# Altium PCB FULL_CB_REV_C.PcbDoc (part 1 of 2)
Units mm, origin at the board's own origin, x right, y up, seen from the top; angles counter-clockwise.
Board outline 86.1 x 38.5 mm, 4 copper layers (Top Layer, Signal Layer 2, Signal Layer 1, Bottom Layer), stack 1.643 mm thick; 38 components, 86 nets, 243 pads, 188 vias.
Unrouted connection lines stored in the file: 41.
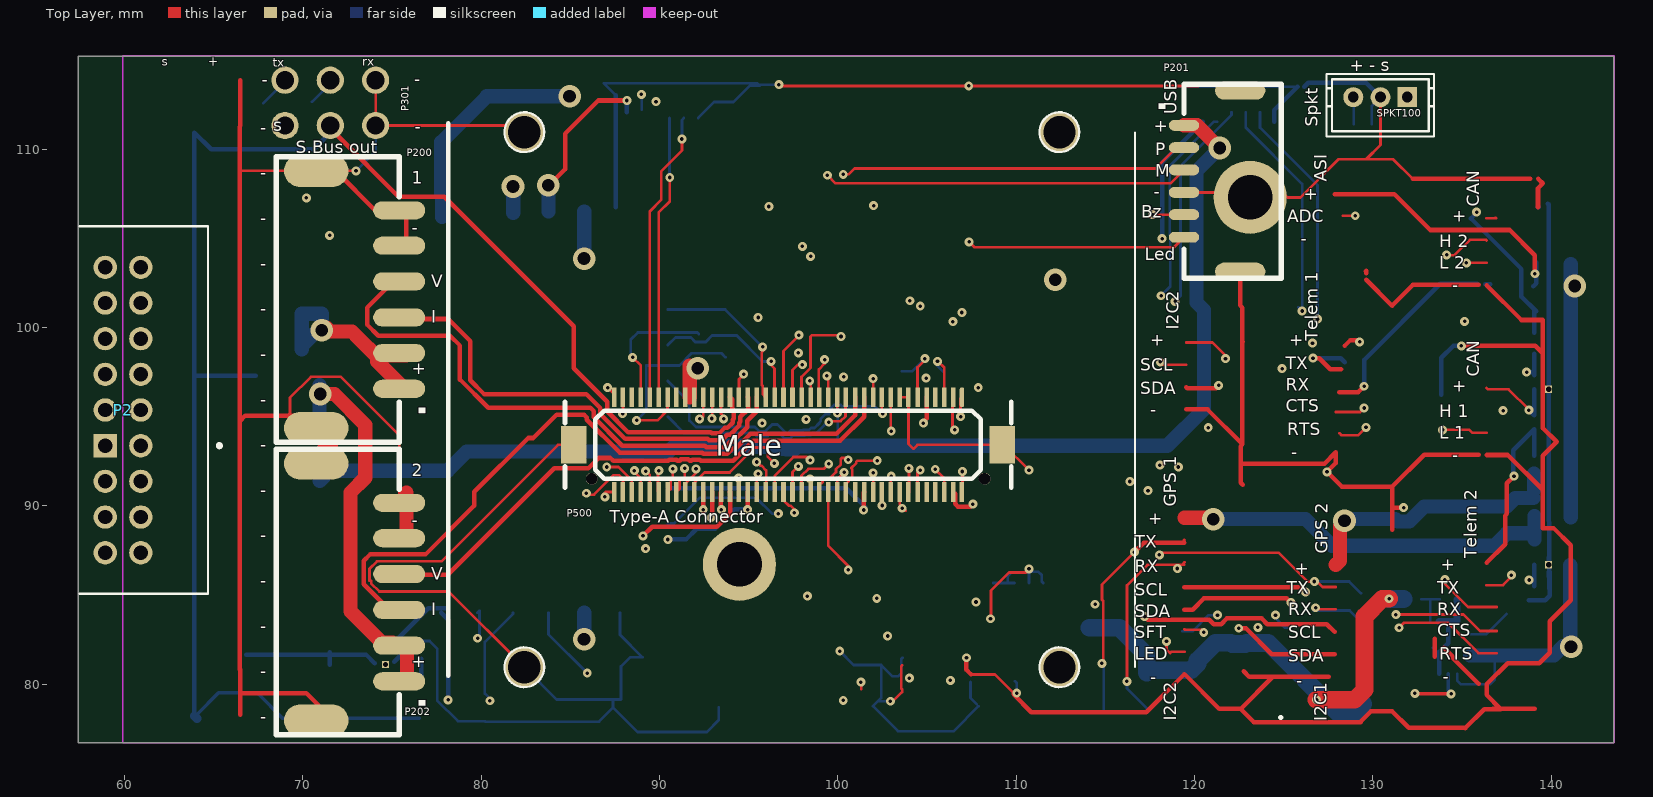
[diagram p0: Top Layer view]
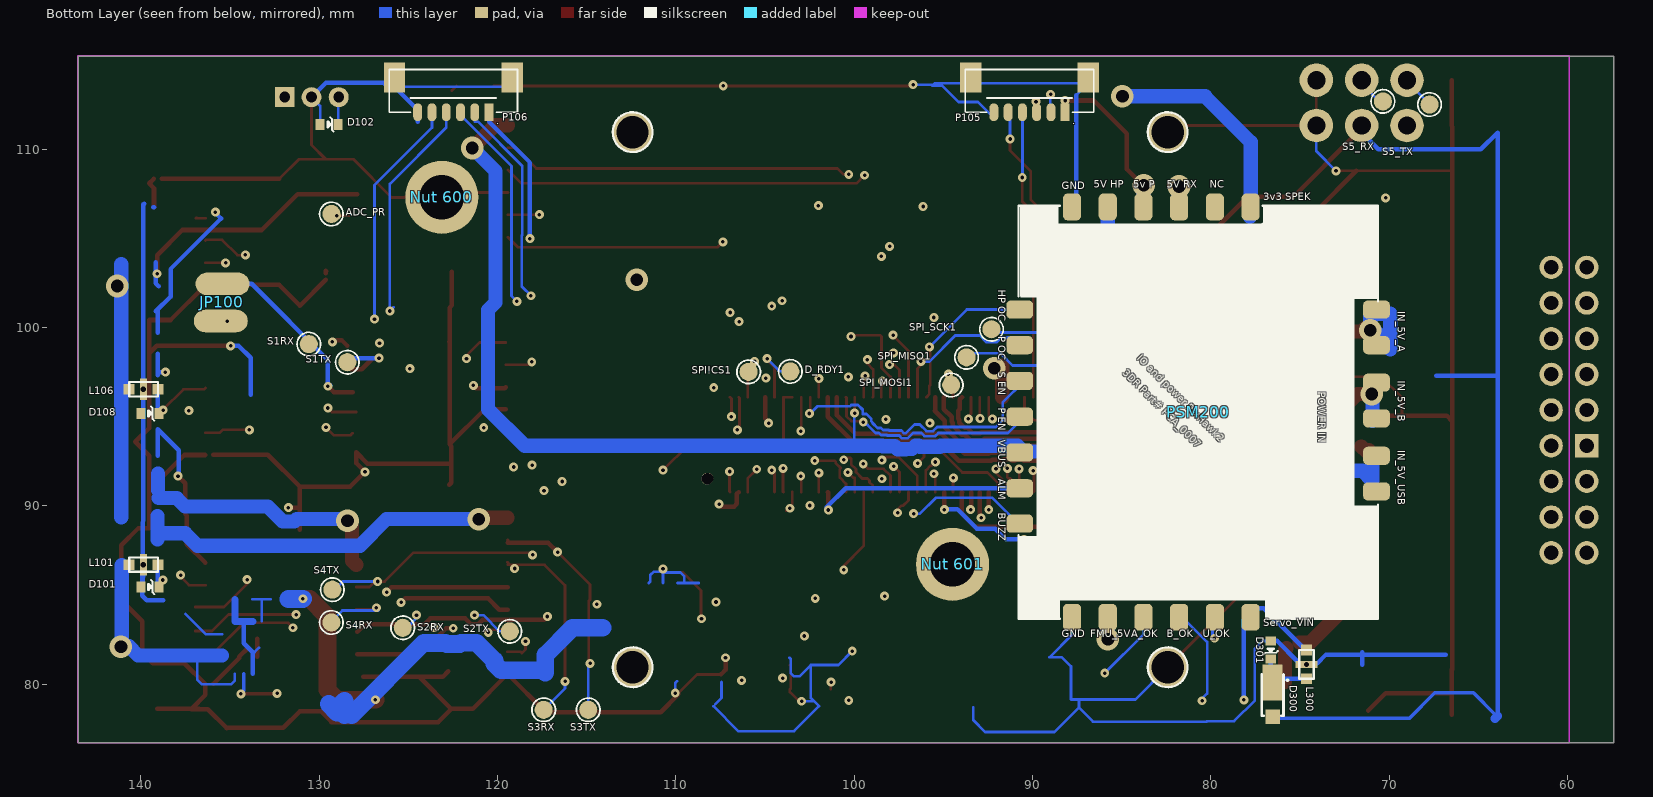
[diagram p1: Bottom Layer view, seen from below]
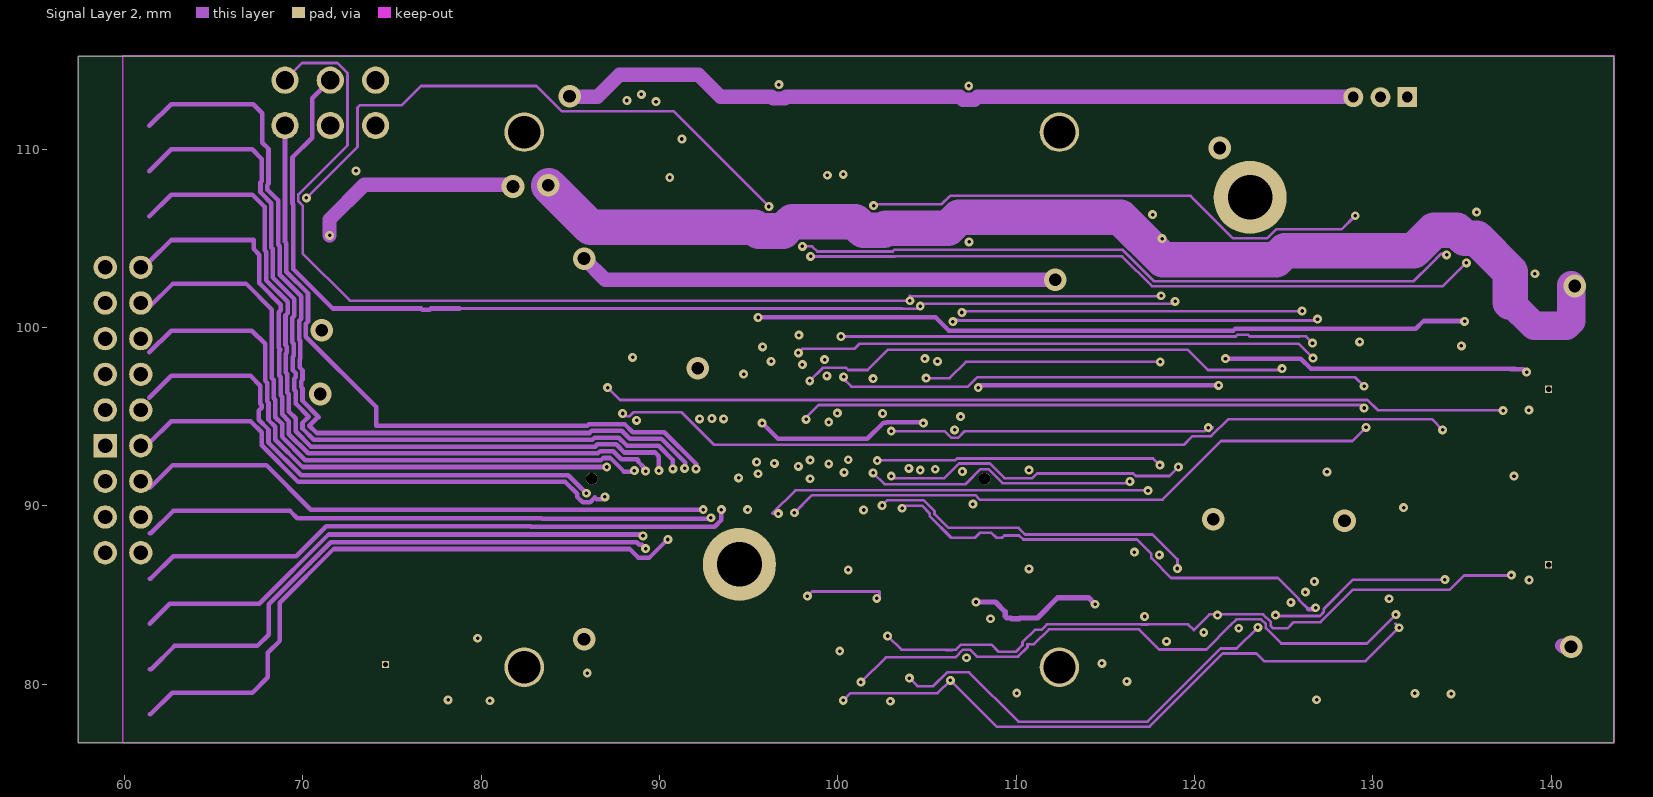
[diagram p2: Signal Layer 2]
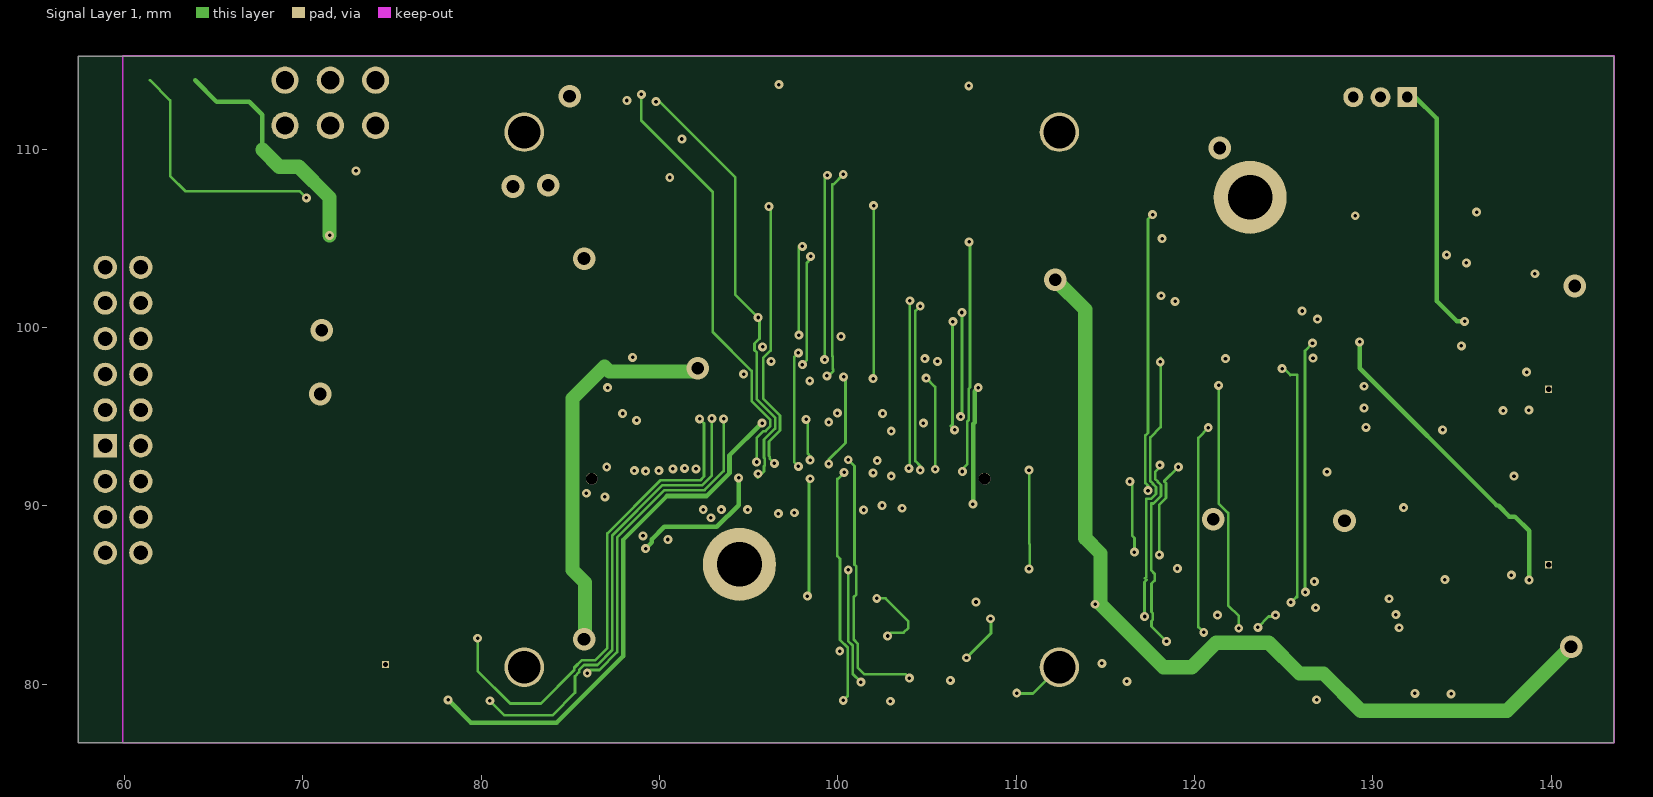
[diagram p3: Signal Layer 1]
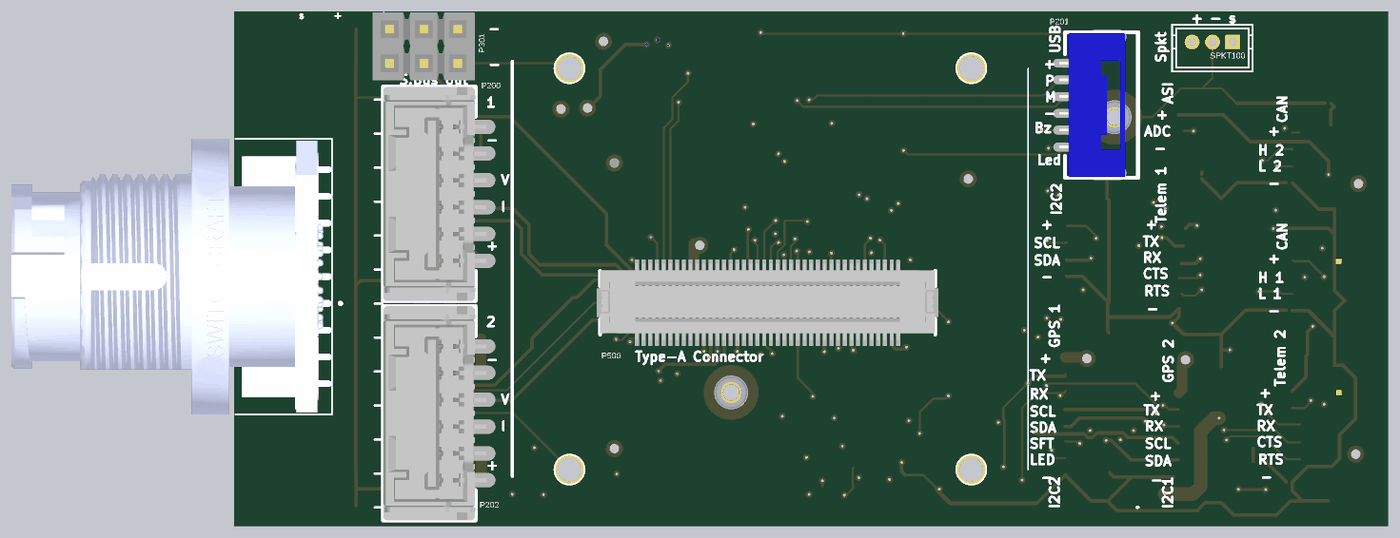
[diagram p5: 3D render of the assembled board from above, using the file's embedded part models]
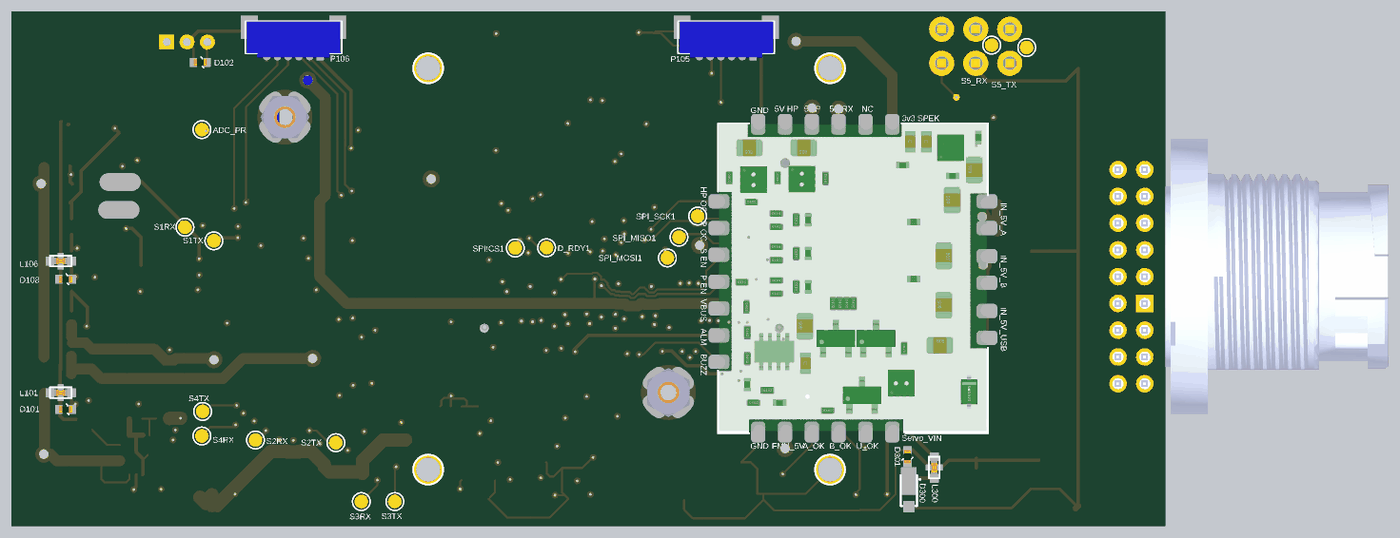
[diagram p6: 3D render of the assembled board from below, using the file's embedded part models]

## Layer stack, top to bottom
Top Solder: solder mask 0.0102, Solder Resist, Dk 3.5
Top Layer: signal copper 0.0356
Dielectric 1: core 0.5, FR-4, Dk 4.8
Signal Layer 2: signal copper 0.036
Dielectric 6: prepreg 0.5, Dk 4.2
Signal Layer 1: signal copper 0.036
Dielectric 4: core 0.5, Dk 4.2
Bottom Layer: signal copper 0.0356
Bottom Solder: solder mask 0.0102, Solder Resist, Dk 3.5

## Board outline
57.409,76.712 143.509,76.712 143.509,115.212 57.409,115.212

## Design rules (kind name [scope] priority, off if disabled: settings)
Clearance "Polygon clearance" [InPolygon vs InPolygon] p1: gap=0.3 ignorepadtopadclearanceinfootprint=FALSE except(0: Arc-Hole Track-Hole SMDPad-Hole THPad-Hole Via-Hole Fill-Hole Poly-Hole Region-Hole Text-Hole)
Clearance Clearance_1 [All] p2: gap=0.127 ignorepadtopadclearanceinfootprint=FALSE except(0: Arc-Hole Track-Hole SMDPad-Hole THPad-Hole Via-Hole Fill-Hole Poly-Hole Region-Hole Text-Hole)
Clearance mdViaVia [IsVia vs IsVia] p3: gap=0.127 ignorepadtopadclearanceinfootprint=FALSE except(0: Arc-Hole Track-Hole SMDPad-Hole THPad-Hole Via-Hole Fill-Hole Poly-Hole Region-Hole Text-Hole)
Clearance mdPadVia [IsPad vs IsVia] p4: gap=0.127 ignorepadtopadclearanceinfootprint=FALSE except(0: Arc-Hole Track-Hole SMDPad-Hole THPad-Hole Via-Hole Fill-Hole Poly-Hole Region-Hole Text-Hole)
Clearance mdPadPad [IsPad vs IsPad] p5: gap=0.127 ignorepadtopadclearanceinfootprint=FALSE except(0: Arc-Hole Track-Hole SMDPad-Hole THPad-Hole Via-Hole Fill-Hole Poly-Hole Region-Hole Text-Hole)
Clearance mdWireVia [(InLayerClass('Signal Layers') AND IsTrack) vs IsVia] p6: gap=0.127 ignorepadtopadclearanceinfootprint=FALSE except(0: Arc-Hole Track-Hole SMDPad-Hole THPad-Hole Via-Hole Fill-Hole Poly-Hole Region-Hole Text-Hole)
Clearance mdWirePad [(InLayerClass('Signal Layers') AND IsTrack) vs IsPad] p7: gap=0.127 ignorepadtopadclearanceinfootprint=FALSE except(0: Arc-Hole Track-Hole SMDPad-Hole THPad-Hole Via-Hole Fill-Hole Poly-Hole Region-Hole Text-Hole)
Clearance mdWireWire [(InLayerClass('Signal Layers') AND IsTrack) vs (InLayerClass('Signal Layers') AND IsTrack)] p8: gap=0.127 ignorepadtopadclearanceinfootprint=FALSE except(0: Arc-Hole Track-Hole SMDPad-Hole THPad-Hole Via-Hole Fill-Hole Poly-Hole Region-Hole Text-Hole)
ComponentClearance ComponentClearance_1 [(HasFootprint('ed') OR HasFootprint('CON-DF17-80M') OR HasFootprint('DF40-70_RECEPTICAL') OR HasFootprint('PSM') OR HasFootprint('PEM-SMTSO-M1.6-2-ET') OR HasFootprint('HEADER_1X06-FTDI') OR HasFootprint('3DR-WORDMARK-short'))] p1: gap=0 collisioncheckmode=3 verticalgap=0 showdistances=FALSE
ComponentClearance [All] p2 off: gap=0.076 collisioncheckmode=3 verticalgap=0 showdistances=FALSE
HoleSize [All] p1: absolutevalues=TRUE maxlimit=2540 minlimit=0.2 maxpercent=80.000 minpercent=20.000
HoleToHoleClearance [All] p1: gap=0.203 allowstackedmicrovias=TRUE
MinimumSolderMaskSliver [All] p1 off: minsoldermaskwidth=0.254
PasteMaskExpansion [All] p1: expansion=0.025
PolygonConnect PolygonConnect_1 [(InComponent('U2') OR InComponent('L6') OR HasFootprint('PEM-SMTSO-M1.6-2-ET') OR HasFootprint('MOUNT-HOLE1.8'))] p1: connectstyle=Direct reliefconductorwidth=0.254 reliefentries=4 polygonreliefangle="90 Angle" airgapwidth=0.254
PolygonConnect ThermalVias [IsVia] p2: connectstyle=Direct reliefconductorwidth=0.254 reliefentries=4 polygonreliefangle="90 Angle" airgapwidth=0.254
PolygonConnect [All] p3: connectstyle=Relief reliefconductorwidth=0.254 reliefentries=4 polygonreliefangle="90 Angle" airgapwidth=0.254
RoomDefinition FULL_CB_tp_REV_C [InComponentClass('FULL_CB_tp_REV_C')] p1 off: confinementstyle=ConfineIn formatcopy=TRUE lockcomponents=FALSE outline 0,0 50.8,0 50.8,25.4 0,25.4
RoomDefinition FULL_CB_Servo_REV_C [InComponentClass('FULL_CB_Servo_REV_C')] p2 off: confinementstyle=ConfineIn formatcopy=TRUE lockcomponents=FALSE outline 0,0 50.8,0 50.8,25.4 0,25.4
RoomDefinition FULL_CB_Power_REV_C [InComponentClass('FULL_CB_Power_REV_C')] p3 off: confinementstyle=ConfineIn formatcopy=TRUE lockcomponents=FALSE outline 0,0 50.8,0 50.8,25.4 0,25.4
RoomDefinition FULL_CB_Plugs_REV_C [InComponentClass('FULL_CB_Plugs_REV_C')] p4 off: confinementstyle=ConfineIn formatcopy=TRUE lockcomponents=FALSE outline 109.144,26.568 168.707,26.568 168.707,73.457 109.144,73.457
RoomDefinition FULL_CB_INTEL_REV_C [InComponentClass('FULL_CB_INTEL_REV_C')] p5 off: confinementstyle=ConfineIn formatcopy=TRUE lockcomponents=FALSE outline 0,0 50.8,0 50.8,25.4 0,25.4
RoomDefinition FULL_CB_80_Pin_REV_C [InComponentClass('FULL_CB_80_Pin_REV_C')] p6 off: confinementstyle=ConfineIn formatcopy=TRUE lockcomponents=FALSE outline 0,0 50.8,0 50.8,25.4 0,25.4
RoutingVias [All] p1: holewidth=0.2 width=0.5 viastyle="Through Hole" minholewidth=0.2 minwidth=0.5 maxholewidth=0.711 maxwidth=1.27
SilkToBoardRegionClearance [All] p1 off:
SilkToSilkClearance [All] p1 off: silktosilkclearance=0.254
SilkToSolderMaskClearance [IsPad] p1 off: minsilkscreentomaskgap=0.254 clearancetoexposedcopper=TRUE
SolderMaskExpansion [All] p1: expansion=0.025 istentingtop=FALSE
Width [All] p1: maxlimit=2 minlimit=0.15 preferedwidth=0.254
22 further rules are at their usual default settings.

## Classes and differential pairs
component class FULL_CB_Plugs_REV_C: 3 D101 D102 D108 JP100 L101 L106 P1 P105 P106 SPKT100
component class FULL_CB_Power_REV_C: P200 P201 P202 PSM200
component class FULL_CB_Servo_REV_C: D300 D301 L300 P2 P301
component class FULL_CB_tp_REV_C: ADC_PR D_RDY1 S1RX S1TX S2RX S2TX S3RX S3TX S4RX S4TX S5_RX S5_TX SPI!CS1 SPI_MISO1 SPI_MOSI1 SPI_SCK1
component class FULL_CB_80_Pin_REV_C: FIDUCIALS1 P500
component class FULL_CB_INTEL_REV_C: "Nut 600" "Nut 601" USB1 USB2

## Components (designator, comment, footprint, x,y, rotation, side; value= is the part's Value field where it differs from the comment)
ADC_PR "PAD.04" PAD.04X.04 129.309,106.362 r0 bottom
D101 "DIODE-TVS" 0402-TVS 139.483,85.452 r0 bottom
D102 "DIODE-TVS" 0402-TVS 129.433,111.385 r0 bottom
D108 "DIODE-TVS" 0402-TVS 139.483,95.178 r0 bottom
D300 "MSS1P4-M3" MICROSMP 76.546,78.842 r270 bottom
D301 "DIODE-TVS" 0402-TVS 76.648,81.915 r90 bottom
D_RDY1 "PAD.04" PAD.04X.04 103.581,97.536 r180 bottom
JP100 "HEADER_2MM_RA_SMD" HEADER_2MM_RA_2 136.308,101.408 r90 bottom
L101 "Kyocera KNH16C104DA5TS EMI filter" KYOCERA-KNH16-DA 139.847,86.697 r180 bottom
L106 "Kyocera KNH16C104DA5TS EMI filter" KYOCERA-KNH16-DA 139.847,96.534 r180 bottom
L300 "Kyocera KNH16C104DA5TS EMI filter" KYOCERA-KNH16-DA 74.641,81.102 r90 bottom
"Nut 600" "PEM-SMTSO-M1.6-2-ET" PEM-SMTSO-M1.6-2-ET 123.114,107.29 r90 bottom
"Nut 601" "PEM-SMTSO-M1.6-2-ET" PEM-SMTSO-M1.6-2-ET 94.488,86.716 r180 bottom
P1 "EN3P18FRAPCBN" SWITCHCRAFT_EN3P18FRAPCBN 151.654,95.098 r90 top
P2 "EN3P18FRAPCBN" SWITCHCRAFT_EN3P18FRAPCBN 59.928,95.37 r270 top
P105 "JST_SUR_6" JST_SUR_H6 90.17,114.062 r0 bottom
P106 "JST_SUR_6" JST_SUR_H6 122.471,114.062 r0 bottom
P200 "CLICKMATE_2_6" CLICKMATE_V6_2MM 68.509,101.562 r90 top
P201 "JST_GH_V6" JST_GH_V6 124.859,108.204 r270 top
P202 "CLICKMATE_2_6" CLICKMATE_V6_2MM 68.509,85.162 r90 top
P301 "con 2x6" TSW-103-07-G-D 71.549,113.862 r90 top
P500 "CON-DF17-80M" ? 97.206,93.421 r0 top locked
PSM200 "Power Selection module" PSM 80.467,95.504 r270 bottom
S1RX "PAD.04" PAD.04X.04 130.576,99.066 r0 bottom
S1TX "PAD.04" PAD.04X.04 128.417,98.05 r0 bottom
S2RX "PAD.04" PAD.04X.04 125.309,83.162 r0 bottom
S2TX "PAD.04" PAD.04X.04 119.309,82.962 r0 bottom
S3RX "PAD.04" PAD.04X.04 117.409,78.562 r0 bottom
S3TX "PAD.04" PAD.04X.04 114.909,78.562 r0 bottom
S4RX "PAD.04" PAD.04X.04 129.309,83.462 r180 bottom
S4TX "PAD.04" PAD.04X.04 129.255,85.3 r180 bottom
S5_RX "PAD.04" PAD.04X.04 70.358,112.674 r135 bottom
S5_TX "PAD.04" PAD.04X.04 67.742,112.497 r135 bottom
SPI!CS1 "PAD.04" PAD.04X.04 105.918,97.511 r0 bottom
SPI_MISO1 "PAD.04" PAD.04X.04 93.701,98.323 r0 bottom
SPI_MOSI1 "PAD.04" PAD.04X.04 94.564,96.774 r180 bottom
SPI_SCK1 "PAD.04" PAD.04X.04 92.304,99.898 r90 bottom
SPKT100 "CONN_SPEKTRUM_RX-TH" B3B-ZR 130.424,112.909 r180 top

## Footprints (in the part's own frame and the unit in brackets; to place one, negate y for a bottom-side part, rotate by r counter-clockwise, add the part's x,y. Pads: shape width x height; smd on the part's side, far side on the other; paste and mask are expansions set on the pad)
0402-TVS [mil] "0402-TVS"
  rect 20x24 smd: A(20,0) C(-19.69,0)
  silkscreen extent -10,-16 3,16, body extent -20,-10 20,10, height 20
B3B-ZR [mil]
  rect 44x44 hole 24: 1(-59.06,0)
  round 44 hole 24: 2(0,0) 3(60,0)
  silkscreen extent -118,-51 119,87
CLICKMATE_V6_2MM [mil]
  rrect100% 40x115 smd: 1(-196.85,-271.65) 2(-118.11,-271.65) 3(-39.37,-271.65) 4(40,-271.65) 5(119,-271.65) 6(197,-271.65)
  rrect100% 71x142 smd: GND(-283.46,-88.58) GND(284,-88.58)
  silkscreen extent -315,-272 315,0, body extent -315,-303 315,0, height 295
HEADER_2MM_RA_2 [mil]
  rrect100% 50x119 smd: 1(-41.19,-31.46) 2(40.8,-35.39)
JST_GH_V6 [mil]
  rrect100% 24x67 smd: 1(-123.03,-214.57) 2(-73.82,-214.57) 3(-24.61,-214.57) 4(25,-214.57) 5(74,-214.57) 6(124,-214.57)
  rrect100% 40x111 smd: GND(-199.8,-90.55) GND(200,-90.55)
  silkscreen extent -214,-215 214,0, body extent -212,-232 212,-37, height 165
JST_SUR_H6 [mm]
  rect 0.5x1 smd: 1(-2,2)
  rrect100% 0.5x1 smd: 2(-1.2,2) 3(-0.4,2) 4(0.4,2) 5(1.2,2) 6(2,2)
  rect 1.2x1.7 smd: GND(-3.3,0.05) GND(3.3,0.05)
  silkscreen extent -3.6,-0.4 3.6,2, body extent -3.5,-0.4 3.5,2.3, height 1.7
KYOCERA-KNH16-DA [mil] "KYOCERA-KNH16-DA"
  rect 16x16 smd: GND(0,-15.75) GND(0,16)
  rect 16x16 hole 12: GND(0,0)
  rect 24x24 smd: P$1(-31.5,0) P$2(32,0)
  silkscreen extent -31,-16 32,16, body extent -20,-10 20,10, height 14
MICROSMP [mil]
  rect 32x32 smd: ANODE(26,0)
  rect 79x44 smd: CATHODE(-49.21,0)
  silkscreen extent -67,-24 24,35
PAD.04X.04 [mil]
  rrect100% 40x40 smd paste-78.74: P$1(0,0)
  silkscreen extent -26,-26 26,26
PEM-SMTSO-M1.6-2-ET [mm] "Surface mount thread"
  round 4.1 hole 2.5 paste-2 mask-2: 0(0,0)
  body extent -1.59,-1.83 1.59,1.83, height 2
PSM [mm]
  rrect50% 1.5x1.016 smd: 5V_HIPOWER(-11.25,-5.318) 5V_PERIPH(-11.25,-3.317) !VBUS_VALID(11.75,0.686) !VDD_BACKUP_VALID(11.75,-1.318) !VDD_BRICK_VALID(11.75,-3.317) GND(-11.25,-7.318) GND(11.75,-7.318) NC(-11.25,0.686) RX(-11.25,-1.318) SERVO_IN(11.75,2.692) SPEK(-11.25,2.692) VDD_5V_IN_PROT(11.75,-5.318)
  rrect50% 1.016x1.5 smd: !VDD_5V_HIPOWER_OC(-5.5,-10.25) !VDD_5V_PERIPH_EN(0.508,-10.25) !VDD_5V_PERIPH_OC(-3.5,-10.25) ALARM(4.521,-10.25) BUZZER_OUT(6.502,-10.25) VBUS(2.515,-10.25) VDD_3V3_SPEKTRUM_EN(-1.5,-10.25) VDD_5V_BACKUP(-1.4,9.75) VDD_5V_BACKUP(0.6,9.75) VDD_BRICK_IN(-5.5,9.75) VDD_BRICK_IN(-3.5,9.75) VDD_VBUS(2.7,9.75) VDD_VBUS(4.7,9.75)
  silkscreen extent -11.33,-10.32 11.9,9.83, body extent -11.3,-10.24 11.66,9.73, height 2.11
SWITCHCRAFT_EN3P18FRAPCBN [mm]
  rect 1.308x1.308 hole 0.8: 1(2,-1)
  round 1.308 hole 0.8: 2(4,1) 3(6,-1) 4(6,1) 5(8,-1) 6(0,1) 7(-8,-1) 8(-6,1) 9(-6,-1) 10(-4,1) 11(-2,-1) 12(2,1) 13(4,-1) 14(8,1) 15(-8,1) 16(-4,-1) 17(-2,1) 18(0,-1)
  silkscreen extent -10.3,-2.44 10.3,5.5, body extent -11.92,-38.47 11.92,4.83, height 23.32
TSW-103-07-G-D [mil] "2x6 pin"
  round 60 / inner round 60 / far side round 74.02 hole 40.16: 1(-100,100) 2(0,100) 3(-100,0) 4(0,0) 5(-100,-100) 6(0,-100)
  body extent -150,-150 50,150, height 330
? [mil]
  rrect100% 10x44 smd: 1(384,105)
  rect 10x44 smd: 2(384,-104.33) 3(365,105) 4(365,-104.33) 5(345,105) 6(345,-104.33) 7(325,105) 8(325,-104.33) 9(306,105) 10(306,-104.33) 11(286,105) 12(286,-104.33) 13(266,105) 14(266,-104.33) 15(247,105) 16(247,-104.33) 17(227,105) 18(227,-104.33) 19(207,105) 20(207,-104.33) 21(188,105) 22(188,-104.33) 23(168,105) 24(168,-104.33) 25(148,105) 26(148,-104.33) 27(128,105) 28(128,-104.33) 29(109,105) 30(109,-104.33) 31(89,105) 32(89,-104.33) 33(69,105) 34(69,-104.33) 35(50,105) 36(50,-104.33) 37(30,105) 38(30,-104.33) 39(10,105) 40(10,-104.33) 41(-9.84,105) 42(-9.84,-104.33) 43(-29.53,105) 44(-29.53,-104.33) 45(-49.21,105) 46(-49.21,-104.33) 47(-68.9,105) 48(-68.9,-104.33) 49(-88.58,105) 50(-88.58,-104.33) 51(-108.27,105) 52(-108.27,-104.33) 53(-127.95,105) 54(-127.95,-104.33) 55(-147.64,105) 56(-147.64,-104.33) 57(-167.32,105) 58(-167.32,-104.33) 59(-187.01,105) 60(-187.01,-104.33) 61(-206.69,105) 62(-206.69,-104.33) 63(-226.38,105) 64(-226.38,-104.33) 65(-246.06,105) 66(-246.06,-104.33) 67(-265.75,105) 68(-265.75,-104.33) 69(-285.43,105) 70(-285.43,-104.33) 71(-305.12,105) 72(-305.12,-104.33) 73(-324.8,105) 74(-324.8,-104.33) 75(-344.49,105) 76(-344.49,-104.33) 77(-364.17,105) 78(-364.17,-104.33) 79(-383.86,105) 80(-383.86,-104.33)
  round 87 hole 71: GND(-582,-491) GND(-582,690) GND(599,-491) GND(599,690)
  rect 56x83 smd: GND(-472.44,0) GND(473,0)
  round 26 hole 26 unplated: hole-1(-433.07,-74.8) hole-2(434,-74.8)
  silkscreen extent -626,-535 643,734, body extent -492,-109 492,115, height 124

## Part data
D101 D102 D108 D301: "Diode, TVS, 14VWM, 40VC, 0402, SMD", Supplier Part Number 1=650-PESD0402-140, Supplier 1=Mouser
D300: library part DIODE-SCHOTTKY_MSMP, "Diode, Schottky, 40V, 1A, MicroSMP, SMD", Supplier Part Number 1=15R2105, Supplier 1=Newark
JP100: "Connector, PCB, 2MM, 2Pos, R/A, SMD, Au", Supplier Part Number 1=830-10-002-40-001101-ND, Supplier 1=Digi-Key
L101 L106 L300: library part KNH16C104DA5TS, "Capacitor, Filter, 0.1uF, 25V, 2A, 0603, SMD", Supplier Part Number 1=478-6878-1-ND, Supplier 1=Digi-Key
"Nut 600" "Nut 601": "Fastener, M1.6x0.35mm, 8.00MM Pitch, SMTSO, CS", Manufacturer 1=PennEngineering, Mfg Part Num (Alternate)=Check, Manufacturer Part Number 1=PEM-SMTSO-M1.6-2-ET, Supplier 1=PennEngineering, Supplier Part Number 1=PEM-SMTSO-M1.6-2-ET, Supplier Unit Price 1=0.7
P1 P2: Package=None, Availability=Unavailable, MP=EN3P18FRAPCBN, Price=None
P105 P106: "Connector, Header, 6Pos, .8mm IDC, R/A, SMD, Tin", Supplier Part Number 1=SM06B-SURS-TF(LF)(SN)-ND, Supplier 1=Digi-Key
P200 P202: "Connector, Header, 6Pos, 2.54MM, Vert, THT, Au", Supplier Part Number 1=WM2279CT-ND, Supplier 1=Digi-Key
P201: "BM06B-GHS-TBT", Supplier Part Number 1=455-1582-2-ND, Supplier 1=Digi-Key
P301: "Connector, Header, 6Pos, 2.54MM, Vert, THT, Au", Supplier Part Number 1=79P3920, Supplier 1=Newark
P500: "Connector, Header, 80Pos, .5MM, DUAL, SMD, Au", Supplier Part Number 1=DF17(1.0H)-80DP-0.5V(57)-ND, Supplier 1=Digi-Key
PSM200: library part PSMPSM, "PCA, PSM, Assembly"
SPKT100: "Spektrum RX connector; JST ZH series S3B-ZR-SM4A-TF", PARTNO=B3B-ZR(LF)(SN)

## Via types
v1: diameter 0.5, hole 0.2, Top Layer to Bottom Layer, tented both sides, 173 vias
v2: diameter 1.27, hole 0.711, Top Layer to Bottom Layer, tented both sides, 14 vias
v3: diameter 0.5, hole 0.2, Top Layer to Bottom Layer, 1 vias

## Nets (pads, with @x,y where several pads share a name; then routed paths per layer and width w, separated by ;. In a path a pad name is that pad's centre, name@x,y a point inside that pad or via, vN(x,y) a via of type N, cw(c..) or ccw(c..) an arc to the next point about the centre after c; other vN are vias at no path point)
ALARM: P500.24 PSM200.ALARM | length 12.7
  Top Layer w0.254: v1(101.448,89.764) 101.448,90.746 P500.24@101.473,90.771
  Bottom Layer w0.254: PSM200.ALARM@90.467,90.983 100.482,90.983 101.524,89.941 101.524,89.84 v1(101.448,89.764)
AUX_BATT_CURRENT_SENS: P202.3 P500.25 | length 39
  Top Layer w0.254: P202.3@75.489,84.141 P202.3@75.852,84.141 ; P202.3@75.826,84.062 74.959,84.062 73.418,85.604 73.418,86.914 73.778,87.274 76.886,87.274 79.625,90.014 79.625,90.781 82.646,93.802 82.923,93.802 84.232,95.11 85.772,95.11 85.932,94.951 85.932,94.82 87.766,92.985 92.391,92.985 92.463,92.913 93.814,92.913 94.123,93.222 94.281,93.222 95.089,94.03 99.913,94.03 100.965,95.082 P500.25@100.965,96.088
AUX_BATT_VOLTAGE_SENS: P202.4 P500.23 | length 30.7
  Top Layer w0.254: P202.4@75.826,86.131 78.13,86.131 84.112,92.113 86.022,92.113 86.59,92.681 87.255,92.681 87.403,92.532 90.499,92.532 90.545,92.579 90.963,92.579 91.01,92.532 91.134,92.532 91.206,92.604 91.623,92.604 91.696,92.532 91.794,92.532 91.841,92.579 92.258,92.579 92.305,92.532 94.13,92.532 95.247,93.649 100.126,93.649 101.473,94.996 P500.23@101.473,96.088
BATT_CURRENT_SENS_PROT: P200.3 P500.49 | length 25.1
  Top Layer w0.254: P200.3@75.801,100.473 78.165,100.473 79.4,99.238 79.4,97.033 80.168,96.266 85.898,96.266 86.694,95.47 86.694,95.135 88.082,93.747 92.706,93.747 92.779,93.675 93.498,93.675 93.807,93.984 93.966,93.984 94.484,94.502 94.484,94.661 94.539,94.716 94.539,94.991 94.971,95.422 94.971,96.073 P500.49@94.956,96.088
BATT_VOLTAGE_SENS_PROT: P200.4 P500.47 | length 31.6
  Top Layer w0.254: P200.4@75.852,102.489 74.999,102.489 73.609,101.099 73.609,100.162 74.229,99.543 78.257,99.543 78.816,98.984 78.816,97.079 80.404,95.491 86.134,95.491 86.313,95.312 86.313,94.978 87.924,93.366 92.549,93.366 92.621,93.294 93.656,93.294 93.965,93.603 94.123,93.603 94.865,94.345 94.865,94.361 94.881,94.361 94.92,94.399 94.92,94.767 95.479,95.326 95.456,95.349 P500.47@95.456,96.088
BUZZER_OUT: P201.5 PSM200.BUZZER_OUT | length 46.6
  Top Layer w0.15: v1(117.645,106.324) P201.5@119.409,106.324
  Signal Layer 2 w0.15: v1(96.672,89.56) 96.368,89.56 96.342,89.586 97.628,90.871 117.375,90.871 v1(117.391,90.856)
  Signal Layer 1 w0.15: v1(117.391,90.856) 117.391,91.124 117.238,91.277 117.238,93.94 117.391,94.092 117.391,106.07 v1(117.645,106.324)
  Bottom Layer w0.15: PSM200.BUZZER_OUT@90.467,89.002 90.478,89.013 90.816,89.013 92.253,90.449 95.428,90.449 96.317,89.56 v1(96.672,89.56)
CAN_H_1: P1.16 P500.79 | length 51.4
  Top Layer w0.15: v1(87.097,96.622) 87.456,96.262 P500.79@87.456,96.088
  Signal Layer 2 w0.15: v1(87.097,96.622) 87.788,95.931 127.213,95.931 ; 127.219,95.937 129.696,95.937 130.275,95.358 v1@137.299,95.358
  other v1: 137.299,95.338
CAN_H_2: P1.12 P500.41 | length 49.3
  Top Layer w0.15: P500.41@96.956,96.088 96.956,98.683 97.815,99.543 v1(97.815,99.568) ; v1(134.132,104.07) 134.152,104.05 134.581,104.05 135.445,104.913 136.335,104.913 136.37,104.878
  Signal Layer 2 w0.15: v1(98.019,104.546) 98.556,104.546 98.849,104.253 103.075,104.253 103.181,104.36 107.167,104.36 107.179,104.348 115.973,104.348 117.733,102.589 132.276,102.589 133.244,103.557 ; 133.244,103.563 133.802,104.121 v1@134.132,104.121
  Signal Layer 1 w0.15: v1(97.815,99.568) 97.815,104.546 97.866,104.597 97.968,104.597 v1(98.019,104.546)
CAN_H_3: P500.10
CAN_L_1: P1.18 P500.77 | length 51.2
  Top Layer w0.15: v1(87.935,95.174) 87.956,95.195 P500.77@87.956,96.088 ; v1(133.909,94.262) 135.403,94.262 135.572,94.093 136.37,94.093
  Signal Layer 2 w0.15: v1(87.935,95.174) 87.935,95.123 88.036,95.021 88.312,95.021 88.535,95.245 91.238,95.245 93.06,93.422 119.413,93.422 119.897,93.906 120.934,93.906 121.89,94.862 133.309,94.862 v1(133.909,94.262)
CAN_L_2: P1.14 P500.39 | length 47.6
  Top Layer w0.15: P500.39@97.46,96.088 97.46,97.612 97.765,97.917 v1(98.019,97.917) ; v1@135.318,103.694 135.394,103.618 136.37,103.618
  Signal Layer 2 w0.15: v1(98.476,103.988) 98.487,103.976 103.189,103.976 103.201,103.988 115.942,103.988 117.618,102.312 133.921,102.312 134.889,103.28 ; 134.889,103.266 v1(135.241,103.618)
  Signal Layer 1 w0.15: v1(98.019,97.917) 98.257,98.156 98.257,98.461 98.267,98.471 98.267,103.627 98.476,103.835 v1(98.476,103.988)
CAN_L_3: P500.8
E\X\T\E\R\N\_\C\S\: P500.5 SPI!CS1.P$1 | length 2.9
  Top Layer w0.15: v1(105.588,98.095) 105.613,98.095 105.969,97.739 P500.5@105.969,96.088
  Bottom Layer w0.15: v1(105.588,98.095) 105.588,97.841 SPI!CS1.P$1@105.918,97.511
EXTERN_DRDY: D_RDY1.P$1 P500.11 | length 3.9
  Top Layer w0.15: P500.11@104.47,96.088 104.47,97.765 104.877,98.171 v1(104.877,98.247)
  Bottom Layer w0.15: D_RDY1.P$1@103.581,97.536 104.165,97.536 v1(104.877,98.247)
F\M\U\-\L\E\D\_\A\M\B\E\R\: P201.6 P500.2 | length 26.6
  Top Layer w0.152: P500.2@106.959,90.771 106.985,90.797 v1(106.985,91.923) ; v1(107.366,104.8) 107.671,104.496 118.85,104.496 P201.6@119.409,105.054
  Signal Layer 1 w0.152: v1(106.985,91.923) 106.985,92.075 107.264,92.354 107.264,94.736 107.336,94.808 107.336,96.551 107.413,96.627 107.413,104.754 v1(107.366,104.8)
FMU-!RESET: P500.7
FMU-CH1-PROT: P2.1 P500.50 | length 41.7
  Top Layer w0.254: v1(94.945,89.789) 94.956,89.8 P500.50@94.956,90.771
  Signal Layer 2 w0.254: 61.429,78.302 61.462,78.302 62.687,79.527 67.183,79.527 68.047,80.391 68.047,81.763 68.707,82.423 68.707,84.557 71.73,87.579 88.341,87.579 88.82,87.101 89.439,87.101 90.451,88.113 v1(90.475,88.113)
  Bottom Layer w0.254: v1(90.475,88.113) 91.491,88.113 92.1,88.722 93.118,88.722 94.21,89.814 94.92,89.814 v1(94.945,89.789)
FMU-CH2-PROT: P2.2 P500.52 | length 40.6
  Top Layer w0.15: v1(94.437,91.567) 94.463,91.592 94.463,90.778 P500.52@94.456,90.771
  Signal Layer 2 w0.254: 61.429,80.842 61.513,80.842 62.814,82.144 67.462,82.144 68.097,82.779 68.097,84.486 71.572,87.96 88.721,87.96 88.869,87.812 89.023,87.812 v1(89.23,87.605) ; v1(94.437,91.567) v1@94.463,91.592
  Signal Layer 1 w0.254: v1(89.23,87.605) 89.582,87.956 89.582,88.134 90.272,88.824 93.22,88.824 94.437,90.041 v1(94.437,91.567)
FMU-CH3-PROT: P2.3 P500.54 | length 36.4
  Top Layer w0.254: v1(89.078,88.316) 89.59,88.828 93.224,88.828 93.976,89.58 93.976,90.751 P500.54@93.956,90.771
  Signal Layer 2 w0.254: 61.429,83.382 62.553,84.506 67.564,84.506 71.45,88.392 89.002,88.392 v1(89.078,88.316)
FMU-CH4-PROT: P2.4 P500.56 | length 35.5
  Top Layer w0.15: P500.56@93.456,90.3 P500.56@93.456,90.771
  Top Layer w0.254: P500.56@93.447,90.762 93.447,89.814 v1(93.472,89.789)
  Signal Layer 2 w0.254: 61.429,85.922 61.487,85.922 62.738,87.173 69.647,87.173 71.323,88.849 82.779,88.849 82.8,88.828 93.097,88.828 93.472,89.203 v1(93.472,89.789)
FMU-CH5-PROT: P2.5 P500.58 | length 33.6
  Top Layer w0.254: v1(92.888,89.332) 92.96,89.404 92.96,90.767 P500.58@92.956,90.771
  Signal Layer 2 w0.254: 61.429,88.462 61.487,88.462 62.738,89.713 69.291,89.713 69.698,89.306 83.388,89.306 ; 83.41,89.285 92.841,89.285 v1(92.888,89.332)
FMU-CH6-PROT: P2.6 P500.60 | length 33.6
  Top Layer w0.254: v1(92.456,89.789) P500.60@92.456,90.771
  Signal Layer 2 w0.254: 61.429,91.002 62.705,92.278 67.97,92.278 70.46,89.789 v1(92.456,89.789)
FMU-SWCLK: P106.5 P500.3 | length 41.5
  Top Layer w0.15: P500.3@106.477,96.088 106.431,96.043 106.431,94.381 v1(106.553,94.259)
  Signal Layer 2 w0.15: v1(106.451,100.33) 106.451,100.406 106.477,100.432 106.727,100.432 106.772,100.386 v1@126.816,100.386
  Signal Layer 1 w0.15: v1(106.451,100.33) 106.451,100.305 106.431,100.284 106.431,94.569 106.324,94.463 106.528,94.259 v1(106.553,94.259)
  Bottom Layer w0.15: P106.5@123.671,112.062 123.671,111.201 126.893,107.978 v1(126.893,100.463)
FMU-SWDIO: P106.4 P500.1 | length 39.1
  Top Layer w0.15: v1(106.883,94.996) 106.883,96.012 P500.1@106.959,96.088
  Signal Layer 2 w0.15: v1(106.959,100.838) 106.934,100.863 106.934,100.914 v1@126.023,100.914
  Signal Layer 1 w0.15: v1(106.883,94.996) 106.959,94.92 v1(106.959,100.838)
  Bottom Layer w0.15: P106.4@122.871,112.062 122.871,111.201 126.029,108.042 v1(126.029,100.921) 125.826,101.124
GND: "Nut 600.0" "Nut 601.0" D101.A D102.A D108.A D301.A L101.GND L106.GND L300.GND P2.17 P105.6 P105.GND P106.6 P106.GND P200.5 P200.6 P200.GND P201.4 P201.GND P202.5 P202.6 P202.GND P301.5 P301.6 P500.13 P500.15 P500.GND PSM200.GND SPKT100.2 | length 453.1
  Top Layer w0.15: 66.509,108.782 66.516,108.776 P200.GND@70.759,108.776 71.849,108.776 v3(72.987,108.776) ; 69.139,95.06 69.291,95.213 69.291,96.063 70.46,97.231 72.136,97.231 75.409,93.958 P202.6@75.409,90.166 ; P301.6@74.089,113.862 P301.5@74.089,111.322 82.048,111.322 P500.GND@82.423,110.947 ; P500.GND@82.423,80.95 78.181,85.192 74.295,85.192 73.838,85.649 73.838,85.793 73.747,85.793 73.747,86.472 74.163,86.888 77.769,86.888 84.303,93.421 P500.GND@85.206,93.421 ; 94.488,86.716 95.017,86.186 ; v1(96.698,113.614) 96.774,113.538 v1(107.34,113.538) 120.199,113.538 ; v1(102.946,79.045) 103.103,79.045 103.609,79.551 103.609,79.712 103.561,79.76 103.561,81.014 103.609,81.062 ; P500.15@103.48,96.088 P500.13@103.962,96.088 103.962,93.472 104.242,93.193 104.47,93.421 P500.GND@109.22,93.421 109.296,93.421 v1(110.719,91.999) ; 107.467,80.547 108.81,80.547 v1@109.855,79.502 ; v1@108.585,83.718 108.585,85.242 109.606,86.264 110.546,86.264 110.719,86.436 v1(110.719,86.462) ; P201.4@119.409,107.569 124.934,107.569 125.214,107.29 125.937,107.29 128.077,109.43 129.625,109.43 ; P201.GND@122.299,113.538 P201.GND@122.558,113.279 ; SPKT100.2@130.424,112.909 130.424,110.228 129.625,109.43 ; 132.227,108.337 131.135,109.43 129.625,109.43
  Top Layer w0.254: 66.462,80.823 66.462,94.742 ; 66.462,111.263 66.462,94.742 ; 66.488,78.283 66.488,79.502 ; 66.488,80.823 66.488,79.502 ; 66.509,111.322 66.509,113.862 ; P200.GND@71.151,95.06 69.139,95.06 66.781,95.06 66.462,94.742 ; P202.GND@71.176,78.525 70.199,79.502 66.488,79.502 ; P200.GND@71.849,108.776 74.097,106.528 75.801,106.528 P200.5@75.801,104.496 ; 75.826,90.729 P202.6@75.928,90.627 ; v1(107.213,81.483) 107.213,80.8 107.467,80.547 ; v1@109.855,79.502 109.855,79.426 110.846,78.435 117.301,78.435 119.435,80.569 121.391,78.613 122.585,78.613 ; 119.535,95.402 120.729,95.402 122.685,93.447 ; P201.GND@122.558,103.124 122.558,101.234 122.685,101.107 122.685,99.201 122.699,99.187 122.685,99.173 122.685,93.447 ; 122.699,91.174 122.585,91.288 122.585,92.354 ; 122.75,80.721 123.055,80.416 124.388,80.416 ; 127.279,92.354 122.585,92.354 ; 127.285,92.361 127.92,92.996 127.92,92.397 v1(127.426,91.904) 128.265,91.065 131.07,91.065 ; 127.536,80.416 124.388,80.416 ; 129.281,77.883 129.89,78.492 131.07,78.492 132.01,77.553 135.209,77.553 ; 129.309,77.876 123.321,77.876 122.585,78.613 ; 131.07,88.647 131.07,89.922 ; v1(131.719,89.897) 131.095,89.897 131.07,89.922 ; 132.227,108.337 133.243,108.337 ; 132.318,108.343 138.826,108.343 ; 133.47,81.548 133.47,82.548 ; 133.97,82.048 134.47,81.548 134.47,81.467 135.921,80.016 ; v1(134.962,98.97) 139.103,98.97 139.52,98.553 ; 135.165,77.532 136.232,78.599 137.172,78.599 136.37,79.401 136.37,79.996 137.548,81.174 139.315,81.174 139.905,81.764 139.905,83.531 141.083,84.709 141.083,87.794 140.123,88.754 139.52,88.754 139.52,90.893 ; 135.921,92.869 132.873,92.869 131.07,91.065 ; 136.37,92.848 137.564,92.848 139.52,90.893 ; 136.37,102.373 138.326,100.418 139.52,100.418 139.52,98.553 ; 136.723,78.619 139.071,78.619 ; 139.255,106.742 139.255,107.813 139.52,108.078 139.275,108.323 ; 122.585,78.613 124.388,80.416 ; 122.585,92.354 122.585,93.346 122.685,93.447 ; 131.07,89.922 131.07,91.065 ; 139.52,90.893 139.52,92.809 140.296,93.585 139.52,94.361 139.52,98.553
  Top Layer w0.8: P202.GND@71.151,93.116 71.252,93.015 71.568,93.33 ; 75.826,88.748 75.826,90.729
  Signal Layer 1 w0.15: v1(107.213,81.483) 108.585,82.855 v1@108.585,83.718 ; v1@110.033,79.68 110.236,79.477 110.947,79.477 P500.GND@112.42,80.95 ; v1(110.719,86.462) 110.764,86.507 110.764,87.843 110.739,87.868 110.739,92.095 110.719,92.075 v1(110.719,91.999)
  Bottom Layer w0.15: v3(72.987,108.776) 74.089,109.878 P301.5@74.089,111.322 ; D301.A@76.648,82.423 77.114,82.423 77.542,81.995 77.542,79.096 78.71,77.927 80.213,77.927 80.239,77.902 86.61,77.902 87.398,78.689 ; P500.GND@82.423,80.95 84.234,79.139 87.398,79.139 ; 87.554,113.007 86.87,113.691 95.47,113.691 95.609,113.552 ; PSM200.GND@87.785,83.998 87.785,82.772 89.048,81.509 88.356,81.509 87.848,81.001 87.848,79.139 87.398,79.139 ; P105.6@92.17,111.741 93.068,112.639 94.154,112.639 95.066,113.552 95.609,113.552 ; 93.32,78.689 93.32,77.978 92.659,77.318 88.769,77.318 87.398,78.689 ; v1(96.698,113.614) 95.671,113.614 95.609,113.552 ; v1(100.109,81.856) 100.889,81.077 102.427,81.077 ; v1(102.946,79.045) 102.257,79.045 ; 103.627,81.488 103.561,81.422 103.561,80.634 103.369,80.442 103.062,80.442 102.427,81.077 ; v1@107.327,113.552 v1(107.34,113.538) ; 107.442,80.12 107.442,79.223 107.798,78.867 ; 107.899,78.765 106.502,77.368 103.374,77.368 101.977,78.765 102.257,79.045 ; 108.716,85.672 109.529,85.672 ; 109.91,85.672 109.529,85.672 ; 109.923,80.17 110.033,80.061 v1(110.033,79.502) ; v1@110.719,86.264 109.733,86.264 109.529,86.059 109.529,85.672 ; 110.723,85.672 v1@110.723,86.432 ; v1@110.871,86.309 111.235,86.309 111.433,86.111 111.433,85.749 111.51,85.672 ; P106.GND@119.171,113.488 P106.GND@125.771,113.488 ; D102.A@129.941,111.385 129.941,112.427 SPKT100.2@130.424,112.909 ; 87.398,78.689 87.398,79.139 ; 102.257,79.045 102.427,79.215 102.427,81.077
  Bottom Layer w0.254: 66.843,81.661 71.517,81.661 ; 71.517,81.077 71.517,81.661 ; 71.517,81.779 71.517,81.661 ; L300.GND@74.047,81.162 73.549,81.661 71.517,81.661 ; L300.GND@75.136,81.267 76.292,82.423 D301.A@76.648,82.423 ; PSM200.GND@87.554,106.735 87.554,113.007 ; 124.471,111.538 124.471,112.188 P106.GND@125.771,113.488 ; P106.GND@126.154,113.494 126.382,113.722 129.611,113.722 SPKT100.2@130.424,112.909 ; v1@131.707,89.909 v1(131.719,89.897) ; 133.839,96.222 133.839,98.292 134.517,98.97 v1(134.962,98.97) ; 138.729,84.709 139.656,84.709 139.909,84.962 ; 139.255,106.742 139.305,106.742 ; 139.813,106.945 139.847,106.912 139.847,90.518 139.909,84.962 ; L101.GND@139.847,86.297 139.909,84.962 ; L101.GND@139.847,87.103 139.909,84.962
  other v1: 108.56,83.668
I2C_1_SCL: P500.37 | length 53.1
  Top Layer w0.15: P500.37@97.968,96.088 97.968,97.227 98.471,97.73 98.471,99.487 98.552,99.568 100.101,99.568 v1(100.178,99.492)
  Top Layer w0.254: 119.409,85.437 125.942,85.437 v1(126.213,85.166)
  Signal Layer 2 w0.15: v1(100.178,99.492) 122.312,99.492 122.412,99.592 122.986,99.592 123.086,99.492 125.874,99.492 ; 125.881,99.498 126.258,99.498 126.614,99.143 v1(126.614,99.117)
  Signal Layer 1 w0.15: v1@126.187,85.166 126.187,98.691 v1(126.614,99.117)
I2C_1_SDA: P500.35 | length 49
  Top Layer w0.15: v1(98.425,97.003) 98.476,97.053 P500.35@98.476,96.088
  Top Layer w0.254: 119.409,84.177 119.889,84.177 120.519,84.807 125.175,84.807 v1(125.4,84.582)
  Signal Layer 2 w0.15: v1(98.425,97.003) 99.156,97.734 100.466,97.734 100.588,97.612 101.676,97.612 102.819,98.755 119.6,98.755 120.743,97.612 v1@124.909,97.612
  Signal Layer 1 w0.15: v1@125.011,97.688 125.366,97.333 ; 125.373,97.339 125.75,97.339 125.75,84.887 125.705,84.887 v1(125.4,84.582)
  other v1: 124.909,97.688
I2C_2_SCL: P1.8 P500.6 | length 48.9
  Top Layer w0.15: v1@105.435,92.075 v1(105.461,92.05) 105.969,91.542 P500.6@105.969,90.771 ; v1(118.076,98.069) 118.076,97.942 118.112,97.907 119.535,97.907
  Top Layer w0.254: v1(117.196,83.795) 117.372,83.618 120.825,83.618 121.076,83.367 121.494,83.367 121.816,83.689 123.754,83.689 124.077,83.367 127.419,83.367 127.859,82.927
  Signal Layer 2 w0.15: v1(104.953,97.155) 106.274,97.155 107.188,98.069 v1(118.076,98.069)
  Signal Layer 1 w0.15: v1(104.953,97.155) 104.953,97.18 105.461,96.672 v1(105.461,92.05) ; v1(117.196,83.795) 117.196,85.733 117.314,85.852 117.22,85.946 117.297,86.022 117.297,90.404 117.578,90.404 117.843,90.669 117.843,91.043 117.668,91.218 117.668,91.239 117.515,91.392 117.515,92.007 117.518,92.01 117.518,93.828 118.102,94.412 118.102,98.298 118.076,98.273 v1(118.076,98.069)
I2C_2_SDA: P1.10 P500.4 | length 44
  Top Layer w0.254: P500.4@106.477,90.771 106.578,90.67 106.578,90.107 106.727,89.958 107.434,89.958 v1(107.569,90.094) ; 119.535,96.647 119.586,96.596 121.226,96.596 121.226,96.622 v1(121.353,96.749) ; v1(122.479,83.134) 122.884,83.134 124.335,81.682 127.859,81.682
  Signal Layer 2 w0.254: v1(107.874,96.622) 107.874,96.647 107.975,96.749 v1(121.353,96.749)
  Signal Layer 1 w0.15: v1(121.353,96.749) 121.353,90.134 121.885,89.602 121.885,84.405 122.479,83.812 v1(122.479,83.134)
  Signal Layer 1 w0.254: v1(107.569,90.094) 107.594,90.119 107.594,94.599 107.667,94.672 107.667,96.414 v1(107.874,96.622)
I\O\-\L\E\D\_\S\A\F\E\T\_\P\R\O\T\: P500.28 | length 31.7
  Top Layer w0.15: P500.28@100.457,90.771 100.457,91.235 100.807,91.585 100.807,92.059 100.754,92.112 100.754,92.114 101.036,92.396 101.036,92.476 101.092,92.532 v1(102.21,92.532) ; v1@118.427,82.2 118.427,81.946 118.635,81.737 118.711,81.813 119.435,81.813
  Signal Layer 2 w0.15: v1(102.21,92.532) 102.184,92.532 102.159,92.558 106.589,92.558 106.683,92.652 117.678,92.652 v1(118.051,92.278)
  Signal Layer 1 w0.15: v1@118.178,92.278 117.792,91.892 117.792,91.506 117.945,91.354 117.945,91.333 118.12,91.158 118.12,90.554 117.693,90.127 117.574,90.127 117.574,86.384 117.766,86.192 117.766,85.817 117.583,85.634 117.583,84.046 117.648,83.982 117.648,83.607 117.583,83.543 117.583,83.241 v1(118.427,82.398)
IO-!RESET: P500.75
IO-CH1-PROT: P2.7 P500.80 | length 29.5
  Top Layer w0.15: v1(86.944,90.5) 86.868,90.576 86.868,90.653 86.987,90.771 P500.80@87.456,90.771
  Signal Layer 2 w0.254: 61.408,93.523 62.627,94.742 67.078,94.742 67.703,94.117 67.703,93.387 69.752,91.338 84.729,91.338 85.399,90.669 85.399,90.495 85.694,90.199 86.112,90.199 86.381,90.469 86.482,90.368 86.812,90.368 v1(86.944,90.5)
IO-CH2-PROT: P2.8 P500.78 | length 33
  Top Layer w0.15: v1@85.725,90.627 85.801,90.703 v1(85.903,90.703) ; v1@85.903,90.627 86.34,90.627 87.433,91.719 87.732,91.719 87.956,91.495 P500.78@87.956,90.771
  Signal Layer 2 w0.254: 61.408,96.063 62.627,97.282 67.078,97.282 67.621,96.739 67.621,95.714 67.703,95.632 67.703,95.507 67.539,95.342 67.539,94.82 68.084,94.275 68.084,93.545 69.91,91.719 84.887,91.719 v1(85.903,90.703)
IO-CH3-PROT: P2.9 P500.76 | length 34.5
  Top Layer w0.15: v1(87.046,92.177) 87.706,92.177 88.456,91.427 P500.76@88.456,90.771
  Signal Layer 2 w0.254: 61.408,98.603 62.627,99.822 67.149,99.822 67.894,99.077 67.894,97.005 68.002,96.897 68.002,95.872 68.084,95.79 68.084,94.814 68.465,94.433 68.465,93.703 69.991,92.177 v1(87.046,92.177)
IO-CH4-PROT: P2.10 P500.74 | length 37.3
  Top Layer w0.15: v1@88.57,91.923 88.956,91.537 P500.74@88.956,90.771
  Signal Layer 2 w0.254: 61.408,101.143 62.727,102.462 66.818,102.462 68.275,101.005 68.275,97.163 68.383,97.055 68.383,96.029 68.465,95.948 68.465,94.972 68.846,94.591 68.846,93.861 70.149,92.558 86.714,92.558 86.837,92.681 87.255,92.681 88.013,91.923 v1@88.57,91.923
  other v1: 88.595,91.973
IO-CH5-PROT: P2.11 P500.72 | length 40.5
  Top Layer w0.15: v1(89.23,91.948) 89.459,91.718 P500.72@89.456,90.771
  Signal Layer 2 w0.254: 61.408,103.683 62.627,104.902 67.244,104.902 67.244,104.404 67.564,104.084 67.564,102.487 68.774,101.278 68.774,100.964 68.656,100.847 68.656,98.848 68.732,98.772 68.732,98.732 68.682,98.681 68.682,97.295 68.764,97.212 68.764,96.187 68.846,96.105 68.846,95.129 69.227,94.748 69.227,94.019 70.307,92.939 86.556,92.939 86.679,93.062 87.412,93.062 87.866,92.608 88.77,92.608 88.824,92.555 88.824,92.458 89.099,92.182 89.099,92.079 v1(89.23,91.948)
IO-CH6-PROT: P2.12 P500.70 | length 43.7
  Top Layer w0.15: v1@89.921,91.948 89.921,90.806 P500.70@89.956,90.771
  Signal Layer 2 w0.254: 61.408,106.223 62.622,107.437 67.184,107.437 67.866,106.755 67.866,104.321 67.945,104.242 67.945,102.645 69.155,101.435 69.155,100.807 69.037,100.689 69.037,99.006 69.113,98.93 69.113,98.574 69.063,98.523 69.063,97.453 69.145,97.37 69.145,96.345 69.227,96.263 69.227,95.287 69.608,94.906 69.608,94.176 70.465,93.32 86.398,93.32 86.521,93.443 87.57,93.443 88.023,92.989 89.764,92.989 89.967,92.786 v1(89.967,91.973)
IO-CH7-PROT: P2.13 P500.68 | length 47.2
  Top Layer w0.15: P500.68@90.456,90.771 90.627,90.942 90.627,91.414 90.754,91.541 v1@90.754,92.119
  Signal Layer 2 w0.254: 61.408,108.763 62.627,109.982 67.164,109.982 67.703,109.443 67.703,108.207 67.635,108.139 67.635,107.572 68.247,106.96 68.247,104.478 68.326,104.4 68.326,102.803 69.536,101.593 69.536,100.649 69.418,100.531 69.418,99.164 69.494,99.087 69.494,98.416 69.444,98.366 69.444,97.611 69.608,97.446 69.608,97.216 69.526,97.134 69.526,96.503 69.608,96.421 69.608,95.733 70.34,95.001 69.989,94.65 69.989,94.334 70.623,93.701 86.241,93.701 86.364,93.824 87.728,93.824 88.181,93.37 89.956,93.37 90.754,92.572 v1(90.754,92.075)
IO-CH8-PROT: P2.14 P500.66 | length 50.3
  Top Layer w0.15: P500.66@90.956,90.771 91.127,90.942 91.127,91.414 91.245,91.532 91.353,91.532 91.415,91.593 v1(91.415,92.1)
  Signal Layer 2 w0.254: 61.408,111.303 62.627,112.522 67.224,112.522 67.742,112.004 67.742,110.363 68.084,110.021 68.084,108.049 68.016,107.981 68.016,107.73 68.628,107.118 68.628,104.636 68.707,104.557 68.707,102.961 69.917,101.751 69.917,100.491 69.799,100.373 69.799,99.321 69.875,99.245 69.875,98.259 69.825,98.208 69.825,97.768 69.989,97.604 69.989,97.058 69.907,96.976 69.907,96.661 69.989,96.579 69.989,95.891 70.909,94.971 70.849,94.971 70.37,94.492 70.78,94.082 86.083,94.082 86.206,94.205 87.886,94.205 88.339,93.751 90.114,93.751 91.44,92.425 v1@91.44,92.1
IO-SWCLK: P105.5 P500.71 | length 16.4
  Top Layer w0.152: P500.71@89.456,96.088 89.456,106.509 90.109,107.162 90.109,108.762 91.262,109.915 v1(91.262,110.566)
  Bottom Layer w0.152: v1(91.262,110.566) 91.262,111.633 P105.5@91.37,111.741